# KiCad board Z80ATmega128.kicad_pcb (continued)
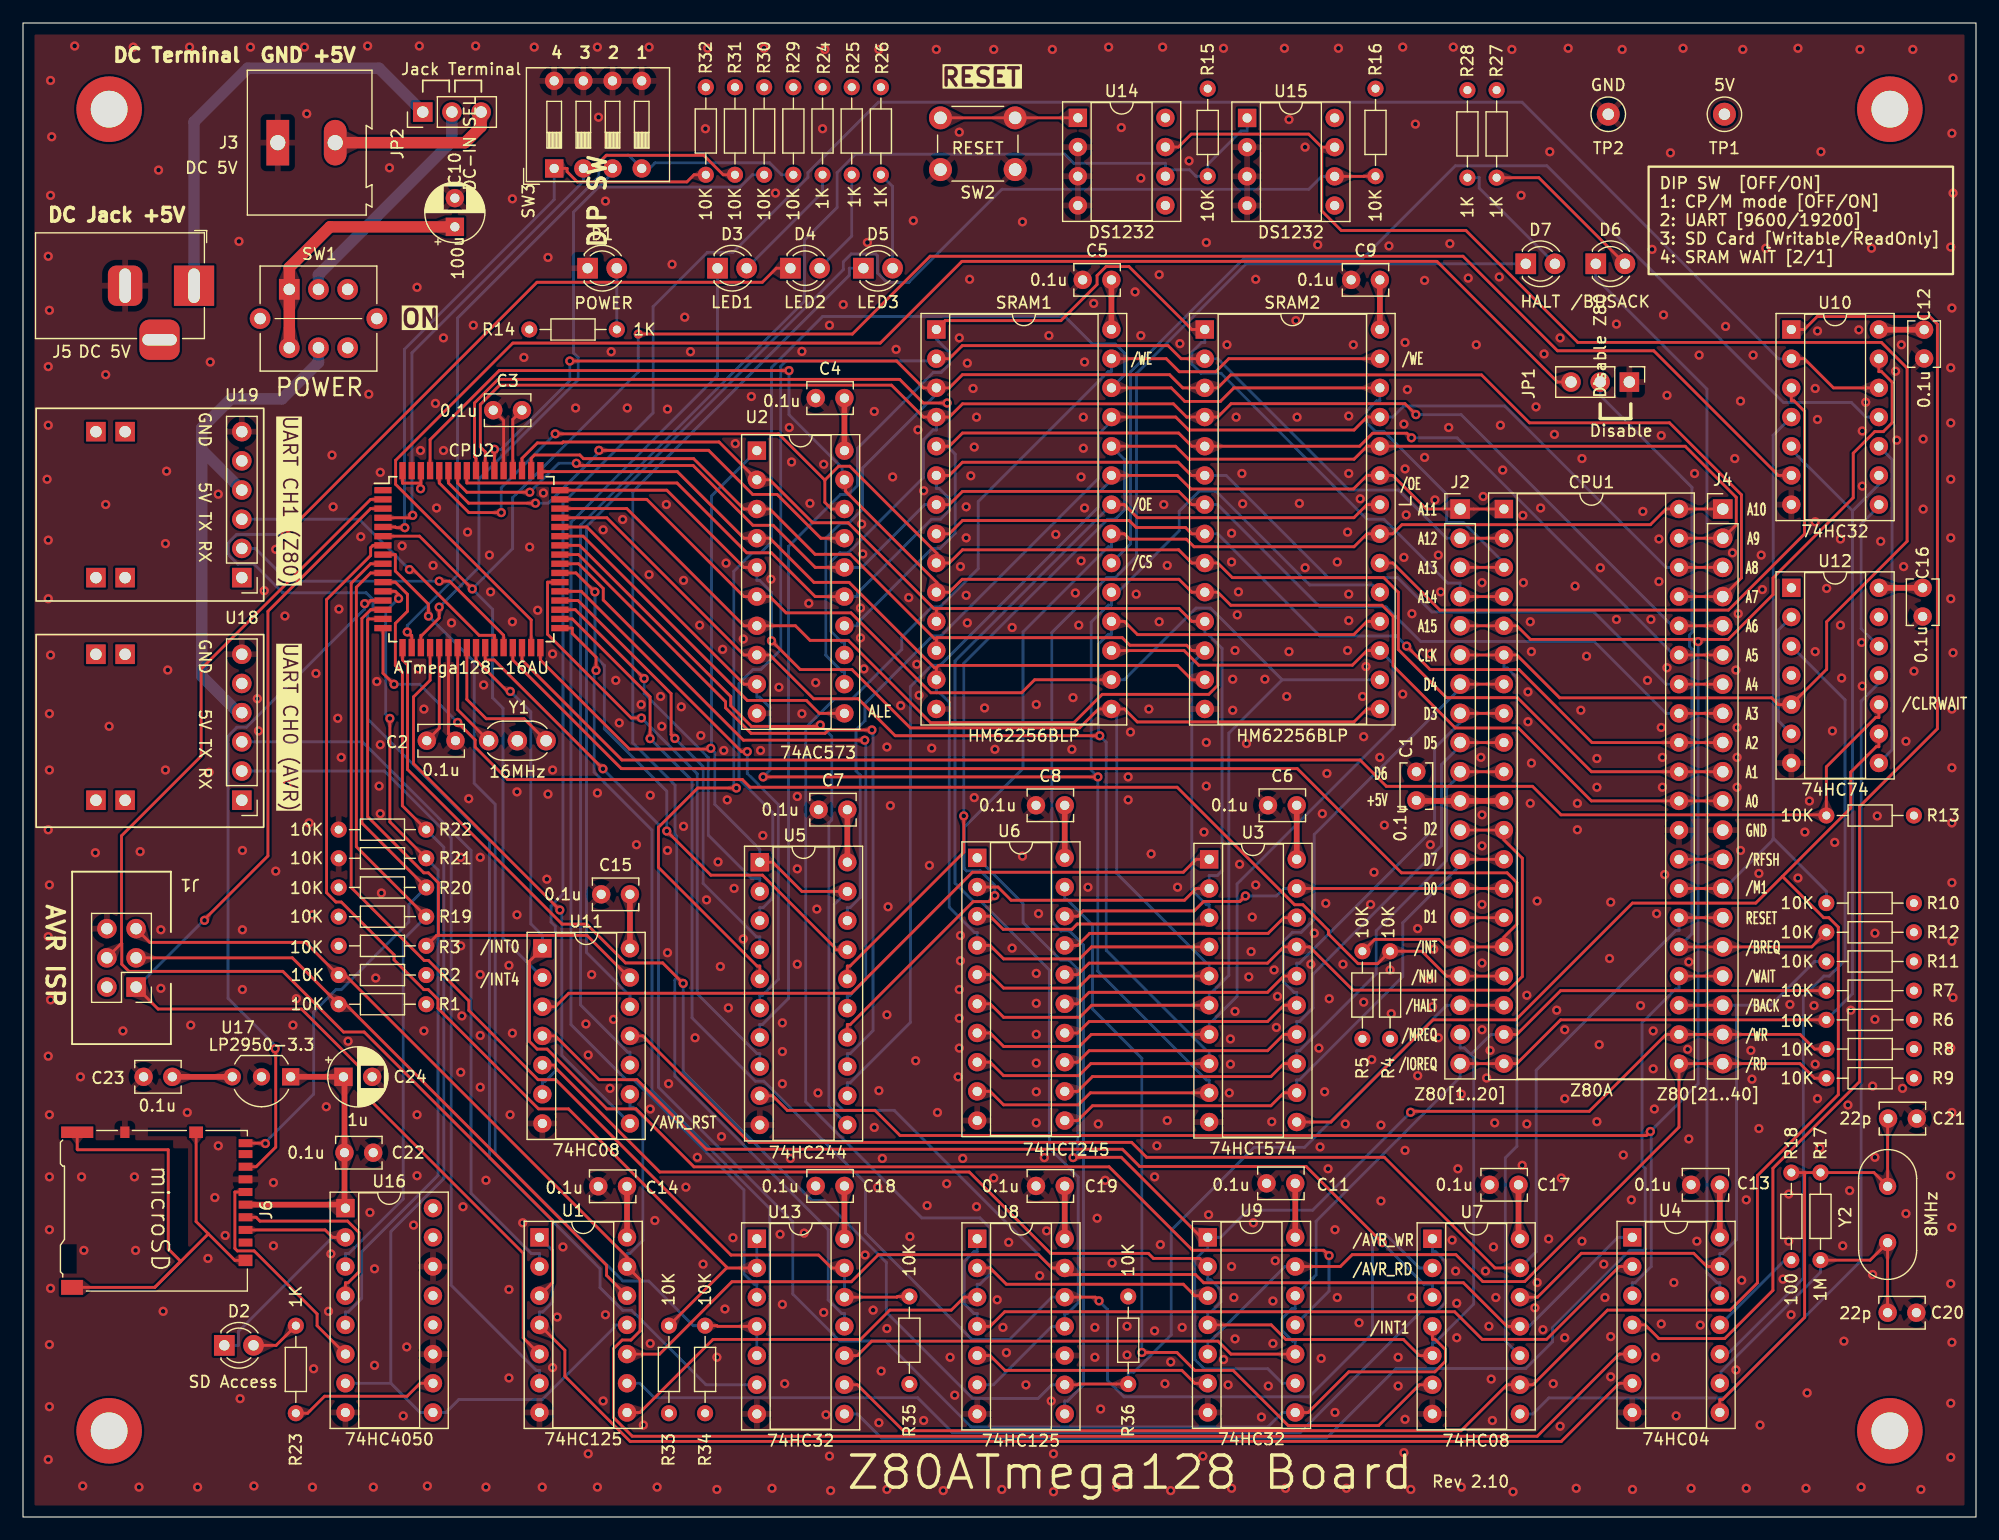
[diagram p0: board, top side]
## Nets
+3.3V: C22.1 C24.1 J6.4 U16.1 U17.1
/ExtIO/+5V: SW1.5 U18.4 U19.4
GND: C1.1 C2.2 C3.1 C4.1 C5.1 C6.1 C7.1 C8.1 C9.1 C10.2 C11.1 C12.1 C13.1 C14.1 C15.1 C16.1 C17.1 C18.1 C19.1 C20.2 C21.1 C22.2 C23.2 C24.2 CPU1.29 CPU2.22 CPU2.53 CPU2.63 D1.1 J1.6 J3.1 J4.12 J5.2 J6.6 J6.10 JP1.1 R21.2 R22.2 SRAM1.14 SRAM2.14 SW2.1 SW3.5 SW3.6 SW3.7 SW3.8 TP2.1 U1.7 U2.10 U3.10 U4.7 U5.10 U6.10 U7.7 U8.7 U8.10 U9.7 U10.7 U11.7 U12.7 U13.7 U14.2 U14.3 U14.4 U15.2 U15.3 U15.4 U16.8 U16.11 U16.14 U17.2 U18.6 U19.6 Y1.2
VCC: C1.2 C2.1 C3.2 C4.2 C5.2 C6.2 C7.2 C8.2 C9.2 C10.1 C11.2 C12.2 C13.2 C14.2 C15.2 C16.2 C17.2 C18.2 C19.2 C23.1 CPU1.11 CPU2.21 CPU2.52 CPU2.62 CPU2.64 J1.2 J2.11 R1.1 R2.1 R3.2 R4.1 R5.1 R6.1 R7.1 R8.1 R9.1 R10.1 R11.1 R12.2 R13.1 R14.2 R15.1 R16.1 R19.2 R20.2 R24.2 R25.2 R26.2 R27.2 R28.1 R29.1 R30.1 R31.1 R32.1 R33.1 R34.1 R35.1 R36.1 SRAM1.28 SRAM2.28 SW1.1 SW1.4 TP1.1 U1.14 U2.20 U3.20 U4.14 U5.20 U6.20 U7.14 U8.14 U9.14 U10.14 U11.14 U12.1 U12.4 U12.13 U12.14 U13.14 U14.8 U15.8 U17.3
4MHz: CPU1.6 J2.6 U7.10 U12.5 U14.7 U15.7
//AVR_RD: CPU2.34 U7.2 U8.12
//AVR_WR: CPU2.33 U1.9 U7.1
/AVR_ALE: CPU2.43 U2.11
/BUSACK: CPU1.23 J4.18 R11.2 U4.13 U7.12
/BUSRQ: CPU2.31 JP1.3
/CLRWAIT: CPU2.30 R13.2 U12.10
/ExtIO/DIPSW1: CPU2.18 R29.2 SW3.4
/ExtIO/DIPSW2: CPU2.19 R30.2 SW3.3
/ExtIO/DIPSW3: CPU2.4 R31.2 SW3.2
/ExtIO/DIPSW4: CPU2.5 R32.2 SW3.1
/ExtIO/LED1: CPU2.7 R33.2 U13.1 U13.2
/ExtIO/LED2: CPU2.8 R34.2 U13.4 U13.5
/ExtIO/LED3: CPU2.9 R35.2 U13.12 U13.13
/ExtIO/RXD0: U1.6 U18.2
/ExtIO/TXD0: U1.2 U18.3
/HALT: CPU1.18 CPU2.17 J2.18 R36.2 U8.9
/INT0: CPU2.25 U9.11 U11.1
/INT1: CPU2.26 U7.4 U9.8
/INT4: CPU2.6 U10.6 U11.2
/IORQ: CPU1.20 J2.20 R6.2 U9.10 U9.12 U10.5 U10.9 U13.10
/M1: CPU1.27 J4.14 R10.2 U10.4
/MREQ: CPU1.19 J2.19 R7.2 U7.5 U9.2 U9.4 U11.5
/NMI: CPU1.17 CPU2.16 J2.17 R4.2
/RD: CPU1.21 J4.20 R9.2 U9.5 U9.13
/Reset//AVR_RST: CPU2.20 U11.8
/Reset//ISP_RST: J1.5 R2.2 U1.13 U4.5 U11.9
/Reset//Z80_SWRST: CPU2.15 R3.1 U11.13
/RFSH: CPU1.28 J4.13
/SS: CPU2.10 R19.1 U16.3
/WAIT: CPU1.24 J4.17 U13.8
/WAIT_0: U3.11 U7.9 U12.9 U13.9
/WR: CPU1.22 J4.19 R8.2 U6.1 U9.1 U9.9
/XINT: CPU1.16 CPU2.29 J2.16 R5.2
/Z80_BUSRQ: CPU1.25 J4.16 JP1.2 R12.1
/Z80_RESET: CPU1.26 J4.15 U7.13 U11.11
A0: CPU1.30 CPU2.61 J4.11 SRAM1.10 SRAM2.10 U2.19
A1: CPU1.31 CPU2.60 J4.10 SRAM1.9 SRAM2.9 U2.18
A2: CPU1.32 CPU2.59 J4.9 SRAM1.8 SRAM2.8 U2.17
A3: CPU1.33 CPU2.58 J4.8 SRAM1.7 SRAM2.7 U2.16
A4: CPU1.34 CPU2.57 J4.7 SRAM1.6 SRAM2.6 U2.15
A5: CPU1.35 CPU2.56 J4.6 SRAM1.5 SRAM2.5 U2.14
A6: CPU1.36 CPU2.55 J4.5 SRAM1.4 SRAM2.4 U2.13
A7: CPU1.37 CPU2.54 J4.4 SRAM1.3 SRAM2.3 U2.12
A8: CPU1.38 J4.3 SRAM1.25 SRAM2.25 U5.18
A9: CPU1.39 J4.2 SRAM1.24 SRAM2.24 U5.16
A10: CPU1.40 J4.1 SRAM1.21 SRAM2.21 U5.14
A11: CPU1.1 J2.1 SRAM1.23 SRAM2.23 U5.12
A12: CPU1.2 J2.2 SRAM1.2 SRAM2.2 U5.3
A13: CPU1.3 J2.3 SRAM1.26 SRAM2.26 U5.5
A14: CPU1.4 J2.4 SRAM1.1 SRAM2.1 U5.7
A15: CPU1.5 J2.5 U4.3 U5.9 U10.13
D0: CPU2.51 SRAM1.11 SRAM2.11 U2.2 U3.2 U6.2
D1: CPU2.50 SRAM1.12 SRAM2.12 U2.3 U3.3 U6.3
D2: CPU2.49 SRAM1.13 SRAM2.13 U2.4 U3.4 U6.4
D3: CPU2.48 SRAM1.15 SRAM2.15 U2.5 U3.5 U6.5
D4: CPU2.47 SRAM1.16 SRAM2.16 U2.6 U3.6 U6.6
D5: CPU2.46 SRAM1.17 SRAM2.17 U2.7 U3.7 U6.7
D6: CPU2.45 SRAM1.18 SRAM2.18 U2.8 U3.8 U6.8
D7: CPU2.44 SRAM1.19 SRAM2.19 U2.9 U3.9 U6.9
DB0: CPU1.14 J2.14 U3.19 U6.18
DB1: CPU1.15 J2.15 U3.18 U6.17
DB2: CPU1.12 J2.12 U3.17 U6.16
DB3: CPU1.8 J2.8 U3.16 U6.15
DB4: CPU1.7 J2.7 U3.15 U6.14
DB5: CPU1.9 J2.9 U3.14 U6.13
DB6: CPU1.10 J2.10 U3.13 U6.12
DB7: CPU1.13 J2.13 U3.12 U6.11
MISO: CPU2.13 J6.7
MOSI: CPU2.12 R21.1 U16.5
RXD1: CPU2.27 U19.3
SCK: CPU2.11 R22.1 U1.11 U16.7 U16.9
SW: CPU2.14 J6.9 R20.1
TXD1: CPU2.28 U19.2
Net-(C20-Pad1): C20.1 R17.2 U4.9 Y2.2
Net-(C21-Pad2): C21.2 R17.1 R18.1 U4.8 Y2.1
Net-(CPU2-PC0): CPU2.35 U5.2
Net-(CPU2-PC1): CPU2.36 U5.4
Net-(CPU2-PC2): CPU2.37 U5.6
Net-(CPU2-PC3): CPU2.38 U5.8
Net-(CPU2-PC4): CPU2.39 U5.17
Net-(CPU2-PC5): CPU2.40 U5.15
Net-(CPU2-PC6): CPU2.41 U5.13
Net-(CPU2-PC7): CPU2.42 U5.11
Net-(CPU2-PD7): CPU2.32 U1.10 U2.1 U4.1 U5.1 U5.19 U7.11 U8.13
Net-(CPU2-PE0): CPU2.2 J1.4 U1.3
Net-(CPU2-PE1): CPU2.3 J1.1 U1.5
Net-(CPU2-XTAL1): CPU2.24 Y1.3
Net-(CPU2-XTAL2): CPU2.23 Y1.1
Net-(D1-A): D1.2 R14.1
Net-(D2-A): D2.2 R23.1
Net-(D2-K): D2.1 J6.2 U16.2
Net-(D3-A): D3.2 R24.1
Net-(D3-K): D3.1 U13.3
Net-(D4-A): D4.2 R25.1
Net-(D4-K): D4.1 U13.6
Net-(D5-A): D5.2 R26.1
Net-(D5-K): D5.1 U13.11
Net-(D6-A): D6.2 R27.1
Net-(D6-K): D6.1 U4.12
Net-(D7-A): D7.2 R28.2
Net-(D7-K): D7.1 U8.8
Net-(J1-SCK): J1.3 R1.2 U1.12
Net-(J3-Pin_2): J3.2 JP2.3
Net-(J5-In): J5.1 JP2.1
Net-(J6-CLK): J6.5 U16.6
Net-(J6-CMD): J6.3 U16.4
Net-(JP2-C): JP2.2 SW1.2
Net-(R18-Pad2): R18.2 U4.11
Net-(R23-Pad2): R23.2 U16.10
Net-(SRAM1-~{CS}): SRAM1.20 U10.11
Net-(SRAM1-~{OE}): SRAM1.22 SRAM2.22 U8.6 U8.11
Net-(SRAM1-~{WE}): SRAM1.27 SRAM2.27 U1.8 U8.3
Net-(SRAM2-~{CS}): SRAM2.20 U10.3
Net-(U1-Pad1): U1.1 U1.4 U4.6
Net-(U3-OE): U3.1 U11.3
Net-(U4-Pad2): U4.2 U8.1 U8.4
Net-(U6-CE): U6.19 U7.6
Net-(U8-Pad2): U8.2 U9.3
Net-(U8-Pad5): U8.5 U9.6
Net-(U10-Pad1): U4.4 U10.1
Net-(U10-Pad12): U10.2 U10.12 U11.6
Net-(U11-Pad4): U7.3 U11.4
Net-(U12A-C): U4.10 U12.3
Net-(U12A-D): U12.2 U12.6
Net-(U12B-C): U7.8 U12.11
Net-(U12B-D): U10.8 U12.12
Net-(U12B-~{Q}): U10.10 U12.8
Net-(U14-/PBRST): SW2.2 U14.1
Net-(U14-/RST): R15.2 U11.10 U14.6 U15.1
Net-(U15-/RST): R16.2 U11.12 U15.6

Pads without a net: CPU2 1; J5 3; J6 1 8 11; REF1 1; REF2 1; REF3 1; REF4 1; SW1 3 6 7 8; U14 5; U15 5; U16 12 13 15 16; U18 1 5 7 8 9 10; U19 1 5 7 8 9 10

## Via types
v1: diameter 0.8, hole 0.4, Top to Bottom, 846 vias

## Routing (per net, layer and track width the routed paths; a pad name or vN(x,y) marks a point on that pad's centre or on a via; arc(x,y) is an arc through that point)
+3.3V: length 25.1
  Top w0.25: U16.1 28.07,27.09 27.99,27.18 ; 27.76,27.18 27.98,27.39 27.99,27.39
  Top w0.5: C22.1 27.9,31.79 ; C22.1 27.99,26.96 ; C22.1 27.99,38.17 ; 27.73,38.31 23.29,38.31 ; 27.9,38.09 27.99,38.17 ; 27.99,38.17 27.85,38.31 ; J6.4 27.76,27.18
/ExtIO/+5V: length 45.1
  Bottom w1: U18.4 18.73,69.99 15.56,73.17 15.56,92.85 ; SW1.5 25.72,100.47 22.55,97.3 18.1,97.3 15.56,94.75 15.56,92.85 ; 15.56,92.85 U19.4
GND: length 14
  Top w0.25: CPU2.22 37.04,68.16 C2.2 ; C3.1 41.84,95.4 CPU2.53
  vias: v1(2.1,90.3) v1(2.2,109.7) v1(2.2,100.1) v1(2.2,95) v1(2.2,85) v1(2.2,79.9) v1(2.2,59.8) v1(2.2,50.5) v1(2.2,40.1) v1(2.2,5) v1(2.3,105) v1(2.3,69.9) v1(2.3,65) v1(2.3,55) v1(2.3,35) v1(2.3,29.6) v1(2.3,25) v1(2.3,15) v1(2.3,9.6) v1(2.4,125) v1(2.4,115) v1(2.4,75) v1(2.4,45) v1(2.4,19.9) v1(2.5,120.1) v1(4.5,128) v1(5,38.3) v1(5.1,29.6) v1(5.2,2.7) v1(5.3,23.2) v1(6.3,57.8) v1(7.2,99.4) v1(7.2,88.1) v1(7.5,68.8) v1(8.7,42.3) v1(9.6,127.9) v1(9.7,29.6) v1(9.8,23.2) v1(10.1,2.6) v1(10.2,57.9) v1(11.8,117.2) v1(12,51.1) v1(12,46) v1(12.2,17.9) v1(12.4,84.7) v1(12.4,65) v1(12.5,91) v1(12.6,73.7) v1(14.3,35.2) v1(14.5,127.9) v1(14.6,42.8) v1(15.2,2.6) v1(16.1,22.5) v1(16.2,64.8) v1(16.3,100.5) v1(16.7,27.8) v1(17,89) v1(17,32.3) v1(17.6,24.5) v1(18.8,111) v1(18.9,10.3) v1(19.1,58) v1(19.1,51.1) v1(19.1,45.9) v1(19.8,127.9) v1(20.1,2.7) v1(20.4,71.2) v1(20.5,68.4) v1(21,80.6) v1(21.8,29.1) v1(21.8,23.6) v1(22,84.2) v1(22,56.2) v1(22.6,66.3) v1(22.8,78.4) v1(23,63.8) v1(23.5,42.8) v1(23.8,45.1) v1(24.5,127.9) v1(24.7,122.1) v1(24.9,60.4) v1(25.2,52.4) v1(25.2,2.6) v1(25.3,12.9) v1(25.5,73.4) v1(26.4,35.7) v1(26.6,17.9) v1(26.8,22.9) v1(26.9,92.4) v1(27,87.9) v1(27.4,69.5) v1(27.5,79) v1(27.7,66.1) v1(28.3,41.4) v1(29.4,85.3) v1(30,128) v1(30.1,97.7) v1(30.2,26.5) v1(30.5,2.6) v1(30.6,21.6) v1(30.6,13.2) v1(30.7,46.9) v1(30.8,72.7) v1(31,63.6) v1(31.1,90.9) v1(31.1,67.2) v1(31.1,61.2) v1(31.2,54.3) v1(31.9,117.4) v1(33,84.5) v1(33.1,8.8) v1(33.4,14.8) v1(34,25.4) v1(34.3,107) v1(34.3,35) v1(34.3,29.7) v1(34.4,73.8) v1(34.5,128) v1(34.6,92.8) v1(34.9,70.3) v1(34.9,42.3) v1(35.2,2.7) v1(35.7,82.8) v1(35.9,96.9) v1(36,87.8) v1(36.6,102.6) v1(36.6,92.8) v1(37.3,77.8) v1(38.1,57.4) v1(38.1,49.7) v1(38.1,38.7) v1(38.2,43.6) v1(38.3,27) v1(38.7,85.7) v1(38.8,62.5) v1(39.2,103.7) v1(39.4,128) v1(39.8,57.4) v1(39.8,47.2) v1(39.8,41.9) v1(39.8,37.4) v1(40.1,72.4) v1(40.3,29.3) v1(40.3,2.6) v1(40.6,83.7) v1(40.7,80.5) v1(42.3,48) v1(42.3,19.8) v1(42.3,12.1) v1(42.4,35) v1(42.6,114.7) v1(42.6,77.9) v1(42.6,42.1) v1(43,63.1) v1(43,52.4) v1(43.5,25.6) v1(43.6,100.9) v1(44.1,84.4) v1(44.5,127.9) v1(44.8,78.9) v1(45.2,2.6) v1(45.3,89.1) v1(45.6,55.5) v1(45.7,109.6) v1(45.7,62.9) v1(46.1,75.1) v1(46.1,65) v1(46.1,13) v1(46.5,17.4) v1(47,23.5) v1(48.1,96.5) v1(49,42.9) v1(49.2,40.2) v1(49.2,5.5) v1(49.5,47.2) v1(50,127.9) v1(50,63) v1(50,2.6) v1(50.1,121.8) v1(50.5,85.9) v1(50.5,10.1) v1(50.7,114.5) v1(50.7,17.6) v1(51.1,37.3) v1(51.2,101.4) v1(51.4,43.3) v1(51.6,72.8) v1(51.9,69.1) v1(52.2,86.8) v1(52.6,96.5) v1(53.4,58.5) v1(53.8,70.7) v1(54,8) v1(54.5,127.9) v1(54.5,82) v1(54.6,62.8) v1(54.6,35.5) v1(54.6,15.1) v1(55,25.8) v1(55.2,2.6) v1(55.5,71.4) v1(55.6,68.8) v1(56,88.1) v1(56.1,96.4) v1(56.1,58) v1(56.1,49.1) v1(56.2,37.7) v1(56.5,109) v1(57.3,70.5) v1(57.5,81.5) v1(57.5,60.1) v1(57.6,104.4) v1(57.7,28.7) v1(58.1,101.4) v1(58.5,41.7) v1(58.7,31.3) v1(58.9,77.6) v1(59,68) v1(59.2,22) v1(59.4,120.8) v1(59.5,53.7) v1(59.6,127.8) v1(60.4,13.9) v1(60.4,2.4) v1(60.5,57) v1(60.7,47.9) v1(60.8,33.1) v1(60.9,75.5) v1(61,66.7) v1(61.1,18.1) v1(61.2,83) v1(61.3,62.4) v1(61.4,44.3) v1(61.8,24.3) v1(61.9,54.7) v1(62,93.4) v1(62.7,76.4) v1(62.7,50.3) v1(63.4,97.5) v1(64.2,66.7) v1(64.4,59.3) v1(64.5,127.8) v1(65.1,81.6) v1(65.2,2.5) v1(65.5,115.2) v1(65.8,72.2) v1(65.9,24.6) v1(66.1,43) v1(66.1,40.5) v1(66.1,37.7) v1(66.1,18.5) v1(66.3,11.6) v1(66.7,94.8) v1(66.8,31.2) v1(66.9,91.8) v1(67.4,62.7) v1(67.4,56.4) v1(67.4,48.1) v1(67.8,101.42) v1(67.8,69.9) v1(68,24.7) v1(68.4,79.5) v1(68.5,88.2) v1(69,72.6) v1(69.1,52.9) v1(69.2,36.9) v1(69.6,120.8) v1(69.7,91.6) v1(69.7,17.8) v1(69.8,127.7) v1(69.9,8.9) v1(70.2,103.7) v1(70.2,5.3) v1(70.3,2.3) v1(71.4,105.5) v1(72.9,79.1) v1(72.9,76.5) v1(73,86.4) v1(73.1,83.8) v1(73.2,73.8) v1(73.3,22.8) v1(73.5,110.9) v1(74,18) v1(74.1,96.2) v1(74.1,33.9) v1(74.4,28.7) v1(74.5,127.7) v1(74.5,37.1) v1(74.5,8.2) v1(74.7,12.7) v1(74.8,31.2) v1(75.2,67) v1(75.2,43.7) v1(75.2,16.4) v1(75.2,2.4) v1(75.3,53.1) v1(75.5,61.9) v1(75.7,90.5) v1(76,101.6) v1(76.4,70.6) v1(77.1,80) v1(77.2,24.4) v1(77.5,112.8) v1(77.7,39.7) v1(77.8,74.2) v1(77.9,94.6) v1(78,71.5) v1(78.4,89.3) v1(78.4,8.4) v1(78.7,27.1) v1(78.9,56.7) v1(79.1,66.9) v1(79.5,127.7) v1(79.6,35.2) v1(80.1,2.3) v1(80.4,29) v1(80.7,13.9) v1(81.1,10.6) v1(81.4,38.3) v1(81.5,120.5) v1(81.5,102.6) v1(81.5,45.9) v1(81.5,43.4) v1(81.5,40.8) v1(81.6,82.7) v1(81.6,50.6) v1(81.6,48.4) v1(81.8,31.2) v1(82.1,87.9) v1(82.1,85.2) v1(82.1,80.2) v1(82.2,100.4) v1(82.2,77.8) v1(82.4,107.7) v1(82.5,90.6) v1(82.7,98.2) v1(82.8,93.1) v1(82.8,62.6) v1(83,95.7) v1(83,27) v1(83.7,70.4) v1(84.5,127.7) v1(84.5,29.5) v1(84.6,66.8) v1(84.8,18.9) v1(85.2,2.4) v1(85.3,16.5) v1(85.6,14.3) v1(85.8,23.9) v1(86.1,77.4) v1(86.1,49.5) v1(87,112.7) v1(87,57.5) v1(87.3,11.5) v1(88.2,70.7) v1(88.2,47.3) v1(88.2,44.7) v1(88.2,42) v1(88.2,39.5) v1(88.2,37) v1(88.2,34.3) v1(88.4,52.5) v1(88.5,21) v1(88.9,31.28) v1(89.1,24.9) v1(89.3,102.8) v1(89.5,10.1) v1(89.6,127.7) v1(89.7,5.5) v1(89.7,2.2) v1(89.9,85.5) v1(91.3,66.8) v1(91.4,71.3) v1(91.6,80.4) v1(91.9,77.6) v1(92.1,90.5) v1(92.1,83.2) v1(92.3,95.7) v1(92.3,93) v1(92.4,100.5) v1(92.4,87.8) v1(92.7,54.8) v1(93.2,105.6) v1(93.3,16.5) v1(93.3,13.9) v1(93.5,26) v1(93.6,34.2) v1(93.8,9.4) v1(94.2,29.3) v1(94.5,127.9) v1(94.8,22.1) v1(95.2,2.6) v1(95.6,120.9) v1(96.1,16.6) v1(96.1,14.1) v1(96.2,64.4) v1(96.2,62.4) v1(96.4,68.3) v1(96.8,106.6) v1(96.9,80.3) v1(97.3,116.5) v1(97.3,102.8) v1(98,70.3) v1(98.2,57.7) v1(98.5,29.6) v1(98.5,16.2) v1(98.7,32.3) v1(98.9,108.1) v1(98.9,77.9) v1(99,23.7) v1(99.2,127.9) v1(99.3,88.1) v1(99.4,11.6) v1(99.6,82.8) v1(99.6,34.5) v1(99.9,13.5) v1(99.9,2.3) v1(100.5,54.8) v1(100.7,102.1) v1(100.9,16.5) v1(101.5,118) v1(102.7,5.3) v1(102.8,59.6) v1(103,110.9) v1(103,67.4) v1(103,63.6) v1(103.2,26.3) v1(104.5,127.8) v1(104.5,13.7) v1(104.8,102) v1(104.9,11.5) v1(105,36.9) v1(105.1,41.6) v1(105.1,39.4) v1(105.2,85.6) v1(105.2,83.1) v1(105.2,21.8) v1(105.2,2.5) v1(105.3,72.9) v1(105.3,70.2) v1(105.4,19.1) v1(105.5,75.4) v1(105.5,44) v1(105.5,15.5) v1(105.6,95.7) v1(105.7,78.5) v1(105.8,80.5) v1(105.9,56.8) v1(106.1,90.8) v1(106.17,88.17) v1(106.5,67.3) v1(106.7,47) v1(106.9,49.2) v1(107,52.2) v1(107.1,25.6) v1(107.3,107.7) v1(107.3,55) v1(107.8,8.7) v1(108.1,72.9) v1(108.4,11.4) v1(108.7,34.4) v1(108.8,18.8) v1(108.8,15.1) v1(108.9,47.6) v1(109,22.3) v1(109.1,42.6) v1(109.2,45.3) v1(109.8,127.8) v1(109.9,2.5) v1(110,71.4) v1(110.2,121.6) v1(110.2,75.3) v1(110.8,104.1) v1(110.9,95.7) v1(111.1,88.2) v1(111.6,119.2) v1(111.6,82.6) v1(112.1,48.1) v1(112.4,50.8) v1(112.7,110.7) v1(112.8,40.8) v1(112.9,32.2) v1(113,13.8) v1(113.1,61.2) v1(113.3,37) v1(113.4,53.4) v1(113.5,64.7) v1(113.6,30.3) v1(113.7,45.1) v1(114.2,25) v1(114.2,9.1) v1(114.4,83.1) v1(114.4,19.1) v1(114.5,127.8) v1(114.9,48.1) v1(115.1,34.2) v1(115.2,2.5) v1(115.3,85.7) v1(115.3,75.4) v1(115.4,95.8) v1(115.4,90.8) v1(115.4,80.3) v1(115.4,78) v1(115.8,102) v1(116.3,16.9) v1(116.4,88.6) v1(116.6,71.4) v1(116.7,67.9) v1(116.7,44.8) v1(116.9,74) v1(117.3,53.3) v1(117.4,39.8) v1(117.6,56.1) v1(118.1,66.1) v1(118.2,34.1) v1(118.2,27.5) v1(118.5,60.2) v1(118.9,110.6) v1(119,47.6) v1(119.1,43.8) v1(119.7,13.9) v1(119.7,11.4) v1(120.1,127.9) v1(120.1,71.6) v1(120.2,95.1) v1(120.2,83.5) v1(120.2,5.6) v1(120.3,102.2) v1(120.3,91.2) v1(120.3,31.9) v1(120.3,8.5) v1(120.4,87.2) v1(120.5,98.1) v1(120.8,2.4) v1(120.9,78.6) v1(120.9,19.1) v1(121.2,121.2) v1(121.4,51.2) v1(121.4,38.4) v1(122,107.6) v1(122,92.2) v1(122.4,46.8) v1(122.5,75.1) v1(122.5,58.5) v1(122.7,44.4) v1(122.8,49.4) v1(122.9,88.5) v1(123.2,83.7) v1(123.2,41.7) v1(123.4,80.5) v1(124.1,94.8) v1(124.2,110.8) v1(124.4,24.1) v1(124.5,127.9) v1(124.7,21.4) v1(124.8,18.6) v1(124.8,15.6) v1(124.9,30.3) v1(125.2,36.8) v1(125.2,2.6) v1(125.8,107.8) v1(126.5,102) v1(126.9,66.1) v1(127,81.3) v1(127,61.1) v1(127,58.4) v1(127,53.3) v1(127,48.2) v1(127,42.4) v1(127.1,88.8) v1(127.3,21.4) v1(127.4,38.2) v1(127.6,16.6) v1(127.7,40.6) v1(127.8,12) v1(127.9,8.4) v1(128,23.5) v1(128.1,34.3) v1(128.2,19.1) v1(128.5,107.9) v1(128.6,95) v1(128.8,91.1) v1(129.6,127.7) v1(129.7,2.2) v1(130.4,115) v1(130.5,30.6) v1(130.55,87.15) v1(130.6,81.3) v1(130.9,45.4) v1(130.9,34.2) v1(131,71.8) v1(131,69.2) v1(131.2,77.9) v1(131.2,62.1) v1(131.3,75.3) v1(131.3,65.6) v1(131.6,18.2) v1(131.7,96.6) v1(131.8,53.6) v1(131.8,20.4) v1(132.1,87.8) v1(132.3,16.3) v1(132.4,101.2) v1(132.8,24.2) v1(132.9,118.8) v1(133.2,11.6) v1(133.3,94.2) v1(133.5,44.1) v1(133.8,102.6) v1(133.8,7.9) v1(133.9,29.5) v1(134.2,42.4) v1(134.2,36.4) v1(134.2,15.6) v1(134.5,127.8) v1(135.1,81) v1(135.2,2.5) v1(135.3,62.1) v1(135.3,59.8) v1(135.6,70.2) v1(135.7,92.1) v1(135.7,24) v1(136.1,74.9) v1(137,66) v1(137,63.5) v1(137,34.4) v1(137.2,41.1) v1(137.3,82.6) v1(137.6,22) v1(137.7,19.1) v1(138.1,48.6) v1(138.2,53.5) v1(138.2,15.7) v1(138.2,12.2) v1(138.7,103.8) v1(138.7,78.1) v1(139.2,127.7) v1(139.3,31.5) v1(140,27.6) v1(140.1,2.4) v1(140.8,44.5) v1(141,87.5) v1(141.4,72.8) v1(141.7,78.1) v1(141.8,110.3) v1(141.9,42.3) v1(141.9,39) v1(142,35.5) v1(142.1,13.9) v1(142.2,52.5) v1(142.4,85.1) v1(142.4,81.4) v1(142.6,94.1) v1(142.6,68.7) v1(142.6,16.8) v1(142.7,66.1) v1(142.7,63.5) v1(142.8,104.6) v1(142.9,55.9) v1(143.1,97.6) v1(143.1,73.9) v1(143.4,118.7) v1(143.7,20.4) v1(143.9,8.8) v1(144.5,127.8) v1(144.9,40.7) v1(145,48.3) v1(145,32.9) v1(145.2,2.5) v1(145.5,90.8) v1(145.7,24) v1(145.9,101.1) v1(146,16.7) v1(148.2,103.6) v1(148.8,83.9) v1(149,92.1) v1(149.1,73.7) v1(149.1,12.8) v1(149.2,68.7) v1(149.2,66.1) v1(149.2,63.5) v1(149.3,78.6) v1(149.5,97.1) v1(149.5,58) v1(149.6,20.6) v1(149.7,127.7) v1(150,27.6) v1(150,2.5) v1(150.4,40.6) v1(150.5,38.1) v1(150.6,101.1) v1(151.1,56) v1(151.1,33.8) v1(151.2,8) v1(151.3,83.7) v1(151.4,80.7) v1(151.7,110.4) v1(153.2,20.7) v1(153.7,28.1) v1(153.7,24) v1(153.8,44.6) v1(153.9,17.6) v1(154.5,127.8) v1(154.5,55.6) v1(155.1,59.6) v1(155.2,2.5) v1(155.3,10.8) v1(155.5,62.3) v1(155.9,44.5) v1(156,98.2) v1(156,86.6) v1(156,75.3) v1(156,39.4) v1(156.2,103.2) v1(156.2,95.5) v1(156.2,36.4) v1(156.4,32.1) v1(156.5,118.8) v1(157,80.8) v1(157.5,68.4) v1(157.7,58.7) v1(158.2,85.1) v1(158.2,77.6) v1(158.3,73) v1(158.4,23.6) v1(158.5,15.3) v1(158.85,35.85) v1(159,28.4) v1(159.1,44.1) v1(159.8,103.3) v1(159.9,127.7) v1(160.04,76.1) v1(160,2.6) v1(160.1,94.5) v1(160.1,89.7) v1(160.1,72.3) v1(160.4,97) v1(160.9,110.4) v1(161,37.5) v1(161,21.1) v1(161.2,50.8) v1(161.2,43.3) v1(161.2,31.3) v1(161.4,61) v1(161.7,84.9) v1(163,99.7) v1(163.1,93.7) v1(163.5,102) v1(163.6,37.3) v1(163.7,82.7) v1(163.9,67.5) v1(163.9,26.4) v1(164.5,127.7) v1(164.6,73.6) v1(165.2,2.4) v1(165.4,93.8) v1(165.4,87.7) v1(167.8,110.5) v1(167.8,100) v1(167.8,95.2) v1(167.8,90.3) v1(167.8,85.2) v1(167.8,79.9) v1(167.8,40.8) v1(167.8,29.7) v1(167.8,20.3) v1(167.8,9.9) v1(167.8,5.2) v1(167.9,120.4) v1(167.9,105.2) v1(167.9,70.3) v1(167.9,65.2) v1(167.9,60.4) v1(167.9,55.2) v1(167.9,50.1) v1(167.9,35.2) v1(167.9,25.2) v1(167.9,15.2) v1(168,125.2) v1(168,115.2) v1(168,75.2) v1(168,45.2)
VCC: length 121.1
  Top w0.25: v1(34.61,89.48) 34.61,89.96 ; 34.61,89.96 34.62,89.97 34.64,89.97 CPU2.62 ; 34.61,89.96 33.04,89.96 33.04,89.97 CPU2.64 ; CPU2.21 36.24,68.64 C2.1 ; C3.2 42.64,95.51 CPU2.52
  Top w0.5: C11.2 U9.14 ; U1.14 C14.2 ; C12.2 161.56,103.31 ; U4.14 C13.2 ; U3.20 C6.2 ; C17.2 130.18,24.34 ; 52.8,49.51 U11.14 C15.2 52.8,54.15 ; SRAM2.28 C9.2 ; U8.14 C19.2 ; U17.3 C23.1 ; U6.20 C8.2 ; SRAM1.28 C5.2 ; C18.2 U13.14 ; 121.28,62.31 J2.11 CPU1.11 ; C4.2 U2.20 ; C16.2 U12.14 ; U5.20 C7.2
  Top w1: SW1.4 SW1.1 23.18,108.72 26.72,112.26 C10.1
4MHz: length 204.4
  Top w0.25: 113.05,119.19 111.91,120.33 101.69,120.33 100.57,119.2 99.44,119.2 ; 113.05,119.19 113.05,113.65 114.75,111.94 125.6,111.94 135.34,102.2 161.76,102.2 164,99.97 164,84.9 157,77.9 157,73.77 U12.5 152.8,70.69 152.21,71.28 133.76,71.28 130.03,75.01 CPU1.6 J2.6 ; 113.05,119.19 U15.7
  Bottom w0.25: CPU1.6 128.91,73.88 129.19,73.88 130.03,73.04 130.03,32.25 129.03,31.25 129.03,15.32 U7.10
//AVR_RD: length 139.3
  Top w0.25: v1(93.66,18.81) 93.34,19.13 U8.12 ; CPU2.34 47.81,78.15 54.58,71.37 v1(54.58,67.73)
  Bottom w0.25: v1(54.58,67.73) 58.24,64.08 58.24,43.44 63.75,37.92 64.48,37.92 73.33,29.08 73.33,24.72 82.61,15.43 85.86,15.43 89.55,19.13 U8.12 ; U7.2 121.56,21.67 118.63,24.6 117.96,24.6 117.46,24.1 117.46,15.96 111.96,10.46 95.83,10.46 94.4,11.89 94.4,18.07 v1(93.66,18.81)
//AVR_WR: length 159.2
  Top w0.25: v1(49.88,73.67) 49.88,74.82 47.81,76.89 47.81,77.35 CPU2.33
  Bottom w0.25: 65.01,10.38 77.87,10.38 80.91,7.34 111.16,7.34 121.67,17.86 123.02,17.86 123.81,18.64 123.81,22.24 122.96,23.08 122.68,23.08 U7.1 ; 65.01,10.38 65.01,26.84 54.75,37.1 54.75,59.77 49.71,64.81 49.71,73.5 v1(49.88,73.67) ; 65.01,10.38 54.96,10.38 53.7,11.64 U1.9
/AVR_ALE: length 31.2
  Top w0.25: CPU2.43 48.75,85.35 63.05,71.05 68.19,71.05 69.32,69.93 U2.11
/BUSACK: length 57.3
  Top w0.25: CPU1.23 J4.18 ; U4.13 146.58,21.8 145.43,22.95 135.65,22.95 131.83,19.13 U7.12
  Bottom w0.25: U4.13 147.7,22.92 147.93,22.92 149.16,24.14 149.16,44.53 ; R11.2 155.95,48.34 152.14,44.53 149.16,44.53 ; 149.16,44.53 J4.18
/BUSRQ: length 135
  Top w0.25: JP1.3 133.57,98.76 123.07,109.26 81.73,109.26 74.62,102.15 42.64,102.15 32.44,91.94 32.44,89.86 44.24,78.06 CPU2.31
/CLRWAIT: length 131.9
  Top w0.25: 156.97,61.1 133.87,61.1 131.4,63.58 118.68,63.58 116.38,65.87 52.14,65.87 43.44,74.57 CPU2.30 ; 156.97,61.1 R13.2 ; 156.97,61.1 156.97,65.28 161.26,69.57 161.54,69.57 U12.10
/ExtIO/DIPSW1: length 67.6
  Top w0.25: v1(33.45,77.01) 33.74,76.72 33.84,76.72 CPU2.18
  Bottom w0.25: v1(33.45,77.01) 33.45,77.57 37.83,81.95 37.83,104.33 50.12,116.62 50.12,117.79 50.84,118.51 52.69,118.51 SW3.4 54.52,117.34 55.02,117.83 64.99,117.83 66.03,116.79 R29.2
/ExtIO/DIPSW2: length 63.9
  Top w0.25: CPU2.19 34.64,76.72 34.72,76.72 36.22,78.22 v1(36.22,79.17)
  Bottom w0.25: 50.1,115.72 51.32,116.94 SW3.3 ; 50.1,115.72 47.92,113.54 47.92,101.29 48.32,100.89 48.32,98.95 39.68,90.32 39.68,82.63 v1(36.22,79.17) ; 50.1,115.72 62.42,115.72 63.49,116.79 R30.2
/ExtIO/DIPSW3: length 53.6
  Top w0.25: CPU2.4 33.71,86.95 v1(33.93,87.16) ; R31.2 60.95,116.79 59.26,118.49 50.77,118.49 49.9,117.62 49.9,117.34 SW3.2
  Bottom w0.25: v1(33.93,87.16) 33.86,87.23 33.86,101.3 48.78,116.22 SW3.2
/ExtIO/DIPSW4: length 52.7
  Top w0.25: SW3.1 47.36,117.34 47.36,117.06 48.25,116.17 57.79,116.17 58.41,116.79 R32.2 ; v1(33.24,86.09) 32.47,86.09 32.41,86.15 CPU2.5
  Bottom w0.25: v1(33.24,86.09) 33.2,86.12 33.2,101.6 46.24,114.64 SW3.1
/ExtIO/LED1: length 94.1
  Top w0.25: CPU2.7 30.46,84.55 30.26,84.35 30.26,83.66 26.43,79.83 26.43,54.32 27.24,53.51 27.71,53.51 32.3,48.92 32.3,48.48 34.89,45.89 35.28,45.89 36.12,45.04 36.12,44.26 44.87,35.51 47.48,35.51 61.24,21.75 61.24,21.67 U13.2 ; R33.2 61.17,21.6
  Bottom w0.25: U13.1 U13.2
/ExtIO/LED2: length 88.3
  Top w0.25: CPU2.8 32.41,83.75 32.41,82.31 35.29,79.43 v1(35.29,78.39) ; R34.2 60.4,16.65 60.46,16.59 U13.4
  Bottom w0.25: U13.5 U13.4 ; R34.2 58.35,16.65 54.47,20.53 52.22,20.53 41.1,31.64 41.1,62.02 39.28,63.84 39.28,74.41 v1(35.29,78.39)
/ExtIO/LED3: length 95.3
  Top w0.25: R35.2 76.13,19.19 76.07,19.13 U13.12 ; U13.13 70.38,21.67 69.25,22.79 61.63,22.79 46.37,38.05 44.83,38.05 38.81,44.07 38.81,44.91 35.29,48.43 34.91,48.43 28.57,54.78 28.57,81.25 30.26,82.95 CPU2.9
  Bottom w0.25: U13.13 U13.12
/ExtIO/RXD0: length 71.4
  Bottom w0.25: U18.2 31.46,64.91 37.27,59.09 37.27,20.17 44.68,12.76 44.96,12.76 U1.6
/ExtIO/TXD0: length 63
  Bottom w0.25: U18.3 29.55,67.45 39,58 39,28.18 44.25,22.92 44.96,22.92 U1.2
/HALT: length 156
  Top w0.25: CPU1.18 J2.18 ; v1(57.47,46.43) 55.68,48.21 52.45,48.21 49.07,51.59 46.93,51.59 33.47,65.05 33.47,74.13 33.04,74.57 CPU2.17 ; R36.2 91.86,11.57 91.8,11.51 U8.9
  Bottom w0.25: U8.9 89.55,11.51 88.36,10.32 82.66,10.32 75.15,17.82 75.15,22.15 69.75,27.55 68.66,27.55 57.47,38.74 v1(57.47,46.43) ; R36.2 96.2,12.6 96.69,12.6 99.95,15.85 99.95,24.95 107.16,32.16 111.56,32.16 123.92,44.53 J2.18
/INT0: length 121.8
  Top w0.25: v1(42.42,71.84) 42.17,71.84 39.44,74.57 CPU2.25 ; v1(113.69,22.75) 113.22,23.21 101.8,23.21 94.54,30.47 58.41,30.47 53.36,35.51 50.82,35.51 45.62,40.71 44.76,40.71 44.09,41.39 44.09,48.36 U11.1
  Bottom w0.25: v1(113.69,22.75) 113.69,19.66 U9.11 ; U11.1 45.21,50.61 44.21,51.61 44.21,70.05 v1(42.42,71.84)
/INT1: length 135.4
  Top w0.25: CPU2.26 40.24,74.57 41.01,74.57 v1(50.48,65.1) ; U9.8 111.87,9.1 115.41,12.63 122.9,12.63 123.81,13.55 123.81,14.57 122.91,15.46 122.68,15.46 U7.4
  Bottom w0.25: U9.8 109.62,9.1 108.37,7.84 82.53,7.84 75.05,15.32 71.09,15.32 67,19.4 67,25.7 55.31,37.4 55.31,60.27 v1(50.48,65.1)
/INT4: length 185.3
  Top w0.25: U10.6 152.8,90.63 141.95,101.48 133.57,101.48 125.34,109.71 78.96,109.71 72.19,102.93 v1(53.56,102.93) ; CPU2.6 34.51,85.35 v1(39.11,80.75)
  Bottom w0.25: U11.2 41.78,50.37 41.78,70.38 40.88,71.28 40.88,78.98 v1(39.11,80.75) 42.62,84.26 42.62,88.7 53.56,99.63 v1(53.56,102.93)
/IORQ: length 163.4
  Top w0.25: 125.09,39.45 130.03,39.45 133.84,43.26 R6.2 ; U13.10 72.63,14.05 73.88,15.3 104.02,15.3 105.15,14.18 U9.10
  Bottom w0.25: 159.24,87.43 159.24,45.53 R6.2 ; 159.24,87.43 159.24,87.54 161.54,89.84 U10.9 ; 159.24,87.43 159.24,87.56 153.92,92.88 U10.5 ; 125.09,39.45 125.09,38.27 112.56,25.74 112.56,21.06 112.3,20.8 112.29,20.8 U9.12 110.74,18.13 110.46,18.13 109.59,17.26 109.59,16.22 110.51,15.3 110.74,15.3 U9.10
/M1: length 54.9
  Top w0.25: CPU1.27 J4.14
  Bottom w0.25: J4.14 148.09,54.69 152.34,58.94 152.34,59.02 ; 152.34,59.02 152.39,59.02 156.97,54.44 R10.2 ; 152.34,59.02 152.34,94.13 U10.4
/MREQ: length 155.8
  Top w0.25: R7.2 133.84,45.8 130.03,41.99 CPU1.19 ; U7.5 121.56,14.05 120.16,15.45 109.92,15.45 108.65,16.72 U9.4 ; U9.2 102.42,22.5 98.4,22.5 97.96,22.94 89.45,22.94 82.37,30.02 55.43,30.02 46.34,39.11 46.34,39.32 U11.5
  Bottom w0.25: U7.5 122.68,15.17 122.91,15.17 126.27,18.53 126.27,40 126.03,40.24 ; 126.03,40.24 125.46,40.81 125.09,40.81 J2.19 ; 126.03,40.24 127.78,41.99 CPU1.19 ; U9.4 103.12,17.84 103.41,17.84 104.27,18.71 104.27,19.75 103.36,20.67 103.12,20.67 U9.2
/NMI: length 113.9
  Top w0.25: CPU2.16 31.34,73.42 v1(32.3,72.46) ; v1(37.84,69.14) 39.36,67.62 39.36,67 42.19,64.17 62.62,64.17 63.29,63.5 100.46,63.5 110.69,53.27 111.41,53.27 113.63,51.05 113.63,50.73 116.21,48.15 117.92,48.15 R4.2 121.76,49.23 123.92,47.07 J2.17 CPU1.17
  Bottom w0.25: v1(32.3,72.46) 34.52,72.46 v1(37.84,69.14)
/RD: length 70.7
  Top w0.25: R9.2 155.95,38.18 154.68,39.45 144.15,39.45 144.15,33.92 130.72,20.49 127.07,20.49 124.73,22.83 115.7,22.83 114.67,21.8 U9.13
  Bottom w0.25: U9.13 109.85,21.8 103.36,15.3 103.12,15.3 U9.5
/Reset//AVR_RST: length 49.8
  Top w0.25: v1(46.73,52.82) 33.99,65.55 33.99,71.36 35.44,72.81 CPU2.20
  Bottom w0.25: U11.8 46.91,40.17 46.91,52.64 v1(46.73,52.82)
/Reset//ISP_RST: length 179
  Top w0.25: J1.5 11.04,50 24.6,50 27.44,47.16 R2.2 28.04,47.16 52.58,22.62 U1.13 53.71,20.66 53.71,16.19 52.92,15.4 52.15,15.4 51.41,14.66 51.41,8.65 53.03,7.03 131.81,7.03 138.96,14.18 U4.5
  Bottom w0.25: U11.9 52.83,35.66 53.11,35.66 53.96,34.81 53.96,24.07 52.81,22.92 52.58,22.92 U1.13
/Reset//Z80_SWRST: length 51.2
  Top w0.25: 36.16,50.61 36.01,50.61 R3.1 ; 36.16,50.61 36.16,55.18 35.29,56.05 34.89,56.05 30,60.94 30,78.05 30.1,78.15 CPU2.15 ; 36.16,50.61 49.09,50.61 52.76,46.94 U11.13
/RFSH: length 3.8
  Top w0.25: CPU1.28 J4.13
/SS: length 67.5
  Top w0.25: R19.1 29.02,58.32 29.02,80.9 30.26,82.15 CPU2.10
  Bottom w0.25: U16.3 28.07,22.92 28.35,22.92 33.1,27.67 33.1,50.24 R19.1
/WAIT: length 107.3
  Top w0.25: J4.17 CPU1.24
  Bottom w0.25: CPU1.24 144.15,45.94 143.86,45.94 140.93,43.01 140.93,30.6 141.21,30.32 141.21,23.33 141.08,23.21 139.87,23.21 133.14,16.48 133.14,15.26 130.81,12.92 119.52,12.92 113.49,6.89 74.71,6.89 72.63,8.97 U13.8
/WAIT_0: length 194.2
  Top w0.25: 153.15,55.74 159.1,61.69 159.1,64.82 161.31,67.03 161.54,67.03 U12.9 ; 153.15,55.74 150.83,53.42 140.09,53.42 129.93,43.26 122.74,43.26 113.85,34.37 U3.11 ; 153.15,55.74 156.74,52.15 157.19,52.15 158.01,51.33 158.01,36.75 150.97,29.71 150.97,20.37 148.6,18 137.92,18 131.43,11.51 U7.9 129.18,11.51 125.18,7.51 76.63,7.51 72.63,11.51 U13.9
/WR: length 127.5
  Top w0.25: v1(120.78,35.22) 120.86,35.3 136.33,35.3 143.02,41.99 CPU1.22 J4.19 154.69,41.99 155.96,40.72 R8.2 ; U9.1 102.56,24.34 95.6,31.3 91.42,31.3 v1(91.4,31.28)
  Bottom w0.25: U9.9 109.62,11.64 108.35,12.91 102.8,12.91 102,13.7 102,22.37 102.84,23.21 103.12,23.21 U9.1 104.25,24.34 106.61,26.7 112.26,26.7 v1(120.78,35.22) ; U6.1 87.05,53.36 87.05,51.72 90.31,48.47 91.03,48.47 91.81,47.69 91.81,31.68 v1(91.4,31.28)
/XINT: length 115.6
  Top w0.25: R5.2 116.63,49.23 117.66,50.26 123.27,50.26 123.92,49.61 128.91,49.61 128.91,50.45 130.03,51.58 130.03,55.2 129.18,56.05 119.99,56.05 110.92,65.12 52.08,65.12 42.64,74.57 CPU2.29
/Z80_BUSRQ: length 66.4
  Top w0.25: R12.1 155.7,49.61 144.15,49.61
  Bottom w0.25: 144.15,49.61 145.28,50.74 145.28,75.53 145.07,75.73 145.07,76.75 145.28,76.96 145.28,89.59 137.29,97.58 JP1.2
/Z80_RESET: length 126
  Top w0.25: CPU1.26 J4.15 ; U7.13 128.13,21.67 118.5,31.3 97.8,31.3 96.5,32.6 63.22,32.6 53.96,41.86 U11.11
  Bottom w0.25: U7.13 131.72,23.08 131.72,38.88 143.86,51.02 144.15,51.02 CPU1.26
A0: length 140.5
  Top w0.25: CPU2.61 35.44,93.74 41.45,99.75 v1(66.68,99.75) ; 79.56,80.47 79.56,81.3 71.6,89.26 71.6,90.15 U2.19 ; 79.56,80.47 80.63,80.47 81.75,81.6 100.62,81.6 101.74,80.47 SRAM2.10 104,80.47 105.13,79.34 118.3,79.34 119.26,78.37 119.26,74.07 124.67,68.66 130.17,68.66 136.52,62.31 CPU1.30 J4.11 ; 79.56,80.47 SRAM1.10
  Bottom w0.25: U2.19 71.3,90.45 71.3,91.29 66.68,95.92 v1(66.68,99.75)
A1: length 139.4
  Top w0.25: v1(41.64,87.4) 38.81,87.4 36.24,89.97 CPU2.60 ; J4.10 CPU1.31 136.53,64.85 130.08,71.29 123.9,71.29 119.71,75.48 119.71,80.47 118.44,81.74 105.27,81.74 104,83.01 SRAM2.9 101.74,83.01 100.6,84.16 81.78,84.16 80.63,83.01 79.56,83.01 ; v1(46.33,94.25) 65.77,94.25 69.8,90.22 ; 79.56,83.01 79.56,83.84 71.97,91.43 71,91.43 69.8,90.22 ; 79.56,83.01 SRAM1.9 ; U2.18 70.38,87.71 69.8,88.29 69.8,90.22
  Bottom w0.25: v1(46.33,94.25) 41.64,89.56 v1(41.64,87.4)
A2: length 126.5
  Top w0.25: SRAM1.8 80.63,85.55 81.78,86.71 96.29,86.71 96.9,86.1 101.19,86.1 101.74,85.55 SRAM2.8 ; v1(120.44,75.78) 122.48,73.74 130.22,73.74 136.57,67.39 147.96,67.39 ; v1(50.13,92.82) 59.68,92.82 63.51,88.98 65.64,88.98 69.45,85.17 U2.17 ; CPU2.59 37.04,89.97 38.79,88.22 v1(44.61,88.22)
  In1.Cu w0.25: U2.17 72.63,85.17 73.01,85.55 SRAM1.8
  Bottom w0.25: v1(120.44,75.78) 119.56,76.66 112.89,76.66 104,85.55 SRAM2.8 ; v1(44.61,88.22) 45.72,88.22 50.13,92.63 v1(50.13,92.82)
A3: length 127.1
  Top w0.25: J4.8 CPU1.33 ; SRAM2.7 101.74,88.09 100.6,89.24 81.78,89.24 80.63,88.09 SRAM1.7 ; U2.16 68.96,82.63 65.29,86.29 63.53,86.29 58.33,91.5 48.36,91.5 v1(48.16,91.69) ; v1(44.11,89.17) 38.64,89.17 37.84,89.97 CPU2.58
  Bottom w0.25: CPU1.33 143.02,69.93 136.76,76.19 121.65,76.19 118.64,79.2 112.89,79.2 104,88.09 SRAM2.7 ; SRAM1.7 78.49,88.09 73.03,82.63 U2.16 ; v1(48.16,91.69) 46.63,91.69 v1(44.11,89.17)
A4: length 131
  Top w0.25: SRAM2.6 101.71,90.63 100.56,91.78 81.78,91.78 80.63,90.63 SRAM1.6 ; CPU2.57 38.64,89.97 56.93,89.97 63,83.9 65.15,83.9 68.96,80.09 U2.15 ; 147.96,72.47 144.15,72.47
  Bottom w0.25: SRAM1.6 79.5,89.5 79.74,89.5 80.64,88.6 80.64,87.6 79.87,86.82 79.08,86.82 72.63,80.37 72.63,80.09 U2.15 ; SRAM2.6 104.73,90.63 113.62,81.74 119.64,81.74 122.63,78.75 136.74,78.75 143.02,72.47 144.15,72.47
A5: length 152.5
  Top w0.25: v1(80.44,96.93) 78.37,96.93 76.31,98.99 41.35,98.99 39.3,96.94 39.3,92.25 39.44,92.12 CPU2.56 ; J4.6 CPU1.35 ; v1(120.86,93.9) 120.46,94.3 117.48,94.3 116.35,93.17 SRAM2.5 101.74,93.17 100.6,94.32 81.78,94.32 80.63,93.17 SRAM1.5
  Bottom w0.25: 80.46,93.17 80.63,93.34 80.63,96.75 v1(80.44,96.93) ; 80.46,93.17 SRAM1.5 ; 80.46,93.17 81.14,92.48 81.14,85.6 79.83,84.28 79.12,84.28 72.63,77.78 72.63,77.55 U2.14 ; v1(120.86,93.9) 124.83,93.9 143.72,75.01 CPU1.35
A6: length 151.1
  Top w0.25: v1(121.25,95.92) 120.3,96.87 105.16,96.87 104,95.71 SRAM2.4 101.29,95.71 100.14,96.86 81.78,96.86 80.63,95.71 SRAM1.4 78.38,95.71 75.6,98.49 41.5,98.49 39.81,96.8 39.81,93.11 40.24,92.68 CPU2.55 ; J4.5 CPU1.36
  Bottom w0.25: U2.13 71.5,76.13 71.27,76.13 70.33,77.07 70.33,83.13 71.1,83.9 71.83,83.9 78.38,90.45 78.38,93.74 79.22,94.58 79.5,94.58 SRAM1.4 ; v1(121.25,95.92) 125.18,95.92 143.55,77.55 CPU1.36
A7: length 165.6
  Top w0.25: CPU1.37 J4.4 149.58,81.71 149.58,88.95 143.32,95.21 131.13,95.21 126.96,99.38 105.12,99.38 104,98.25 SRAM2.3 100.95,98.25 99.81,99.39 81.77,99.39 80.63,98.25 SRAM1.3 78.38,98.25 76.04,100.59 v1(47.6,100.59) ; v1(41.04,92.91) CPU2.54
  Bottom w0.25: U2.12 71.5,73.59 71.27,73.59 69.88,74.98 69.88,85.17 71.15,86.44 71.83,86.44 73.08,87.69 73.08,91.28 79.5,97.7 SRAM1.3 ; v1(47.6,100.59) 47.6,98.87 41.63,92.91 v1(41.04,92.91)
A8: length 114.6
  Top w0.25: SRAM2.25 116.98,95.71 115.86,94.58 101.47,94.58 100.34,95.71 SRAM1.25 ; J4.3 CPU1.38
  Bottom w0.25: SRAM1.25 94.74,95.34 93.62,94.22 93.62,90.38 79.89,76.66 79.16,76.66 73.3,70.8 73.3,69.29 72.51,68.5 72.51,64.93 72.88,64.56 72.88,53.91 71.99,53.02 71.75,53.02 U5.18 ; CPU1.38 143.02,82.63 128.97,96.67 120.2,96.67 119.24,95.71 SRAM2.25
A9: length 122.4
  Top w0.25: CPU1.39 J4.2 147.97,85.17 149.13,86.33 149.13,88.73 144.69,93.17 SRAM2.24 116.98,93.17 115.86,92.04 101.46,92.04 100.33,93.17 SRAM1.24 ; v1(81.89,61.01) 81.89,57.84 71.99,47.94 71.75,47.94 U5.16
  Bottom w0.25: SRAM1.24 95.9,92.02 95.9,87.65 95.06,86.82 94.41,86.82 81.89,74.3 v1(81.89,61.01)
A10: length 112.4
  Top w0.25: SRAM1.21 95.87,85.55 96.33,85.08 101.27,85.08 101.93,84.42 115.86,84.42 116.98,85.55 SRAM2.21 119.24,85.55 120.03,86.35 141.66,86.35 143.02,87.71 CPU1.40 J4.1 ; v1(84.59,54.07) 84.06,53.55 82.71,53.55 72.02,42.86 71.75,42.86 U5.14
  Bottom w0.25: v1(84.59,54.07) 84.59,54.96 83.32,56.23 82.12,56.23 81.93,56.42 81.93,60.03 87.05,65.15 87.05,77.02 94.46,84.42 94.74,84.42 SRAM1.21
A11: length 100.4
  Top w0.25: SRAM1.23 100.47,90.63 101.65,89.45 115.81,89.45 116.98,90.63 SRAM2.23 119.24,90.63 122.16,87.71 J2.1 CPU1.1
  Bottom w0.25: U5.12 71.75,37.78 71.99,37.78 77.24,43.03 77.24,72.25 79.11,74.12 79.85,74.12 93.62,87.88 93.62,89.12 94.74,90.24 SRAM1.23
A12: length 122.6
  Top w0.25: CPU1.2 J2.2 ; SRAM2.2 100.81,100.79 99.68,101.92 81.76,101.92 80.63,100.79 SRAM1.2
  Bottom w0.25: SRAM2.2 104,100.79 115.43,89.36 119.73,89.36 123.92,85.17 J2.2 ; U5.3 64.14,53.02 64.42,53.02 65.27,53.87 65.27,61.29 62.32,64.23 62.32,72.52 63.54,73.74 64.22,73.74 65.95,75.47 65.95,100.13 66.42,100.6 79.31,100.6 SRAM1.2
A13: length 151.7
  Top w0.25: SRAM2.26 105.41,98.25 104.23,97.07 101.13,97.07 99.95,98.25 SRAM1.26 ; U5.5 64.14,47.94 63.9,47.94 55.31,56.53 55.31,60.01 58.73,63.43 v1(62.1,63.43) ; CPU1.3 J2.3
  Bottom w0.25: SRAM2.26 118.11,97.12 117.83,97.12 116.96,96.26 116.96,95.2 117.72,94.44 118.48,94.44 123.92,89 123.92,86.53 125.39,86.53 128.91,83.02 CPU1.3 ; SRAM1.26 95.89,99.4 95.89,101.26 95.09,102.06 93.09,102.06 90.68,104.47 69.61,104.47 65.15,100.01 65.15,84.83 64.21,83.9 63.49,83.9 61.87,82.28 61.87,63.66 v1(62.1,63.43)
